# KiCad board Sound_Detection Bullet Shot-v2.kicad_pcb (continued)
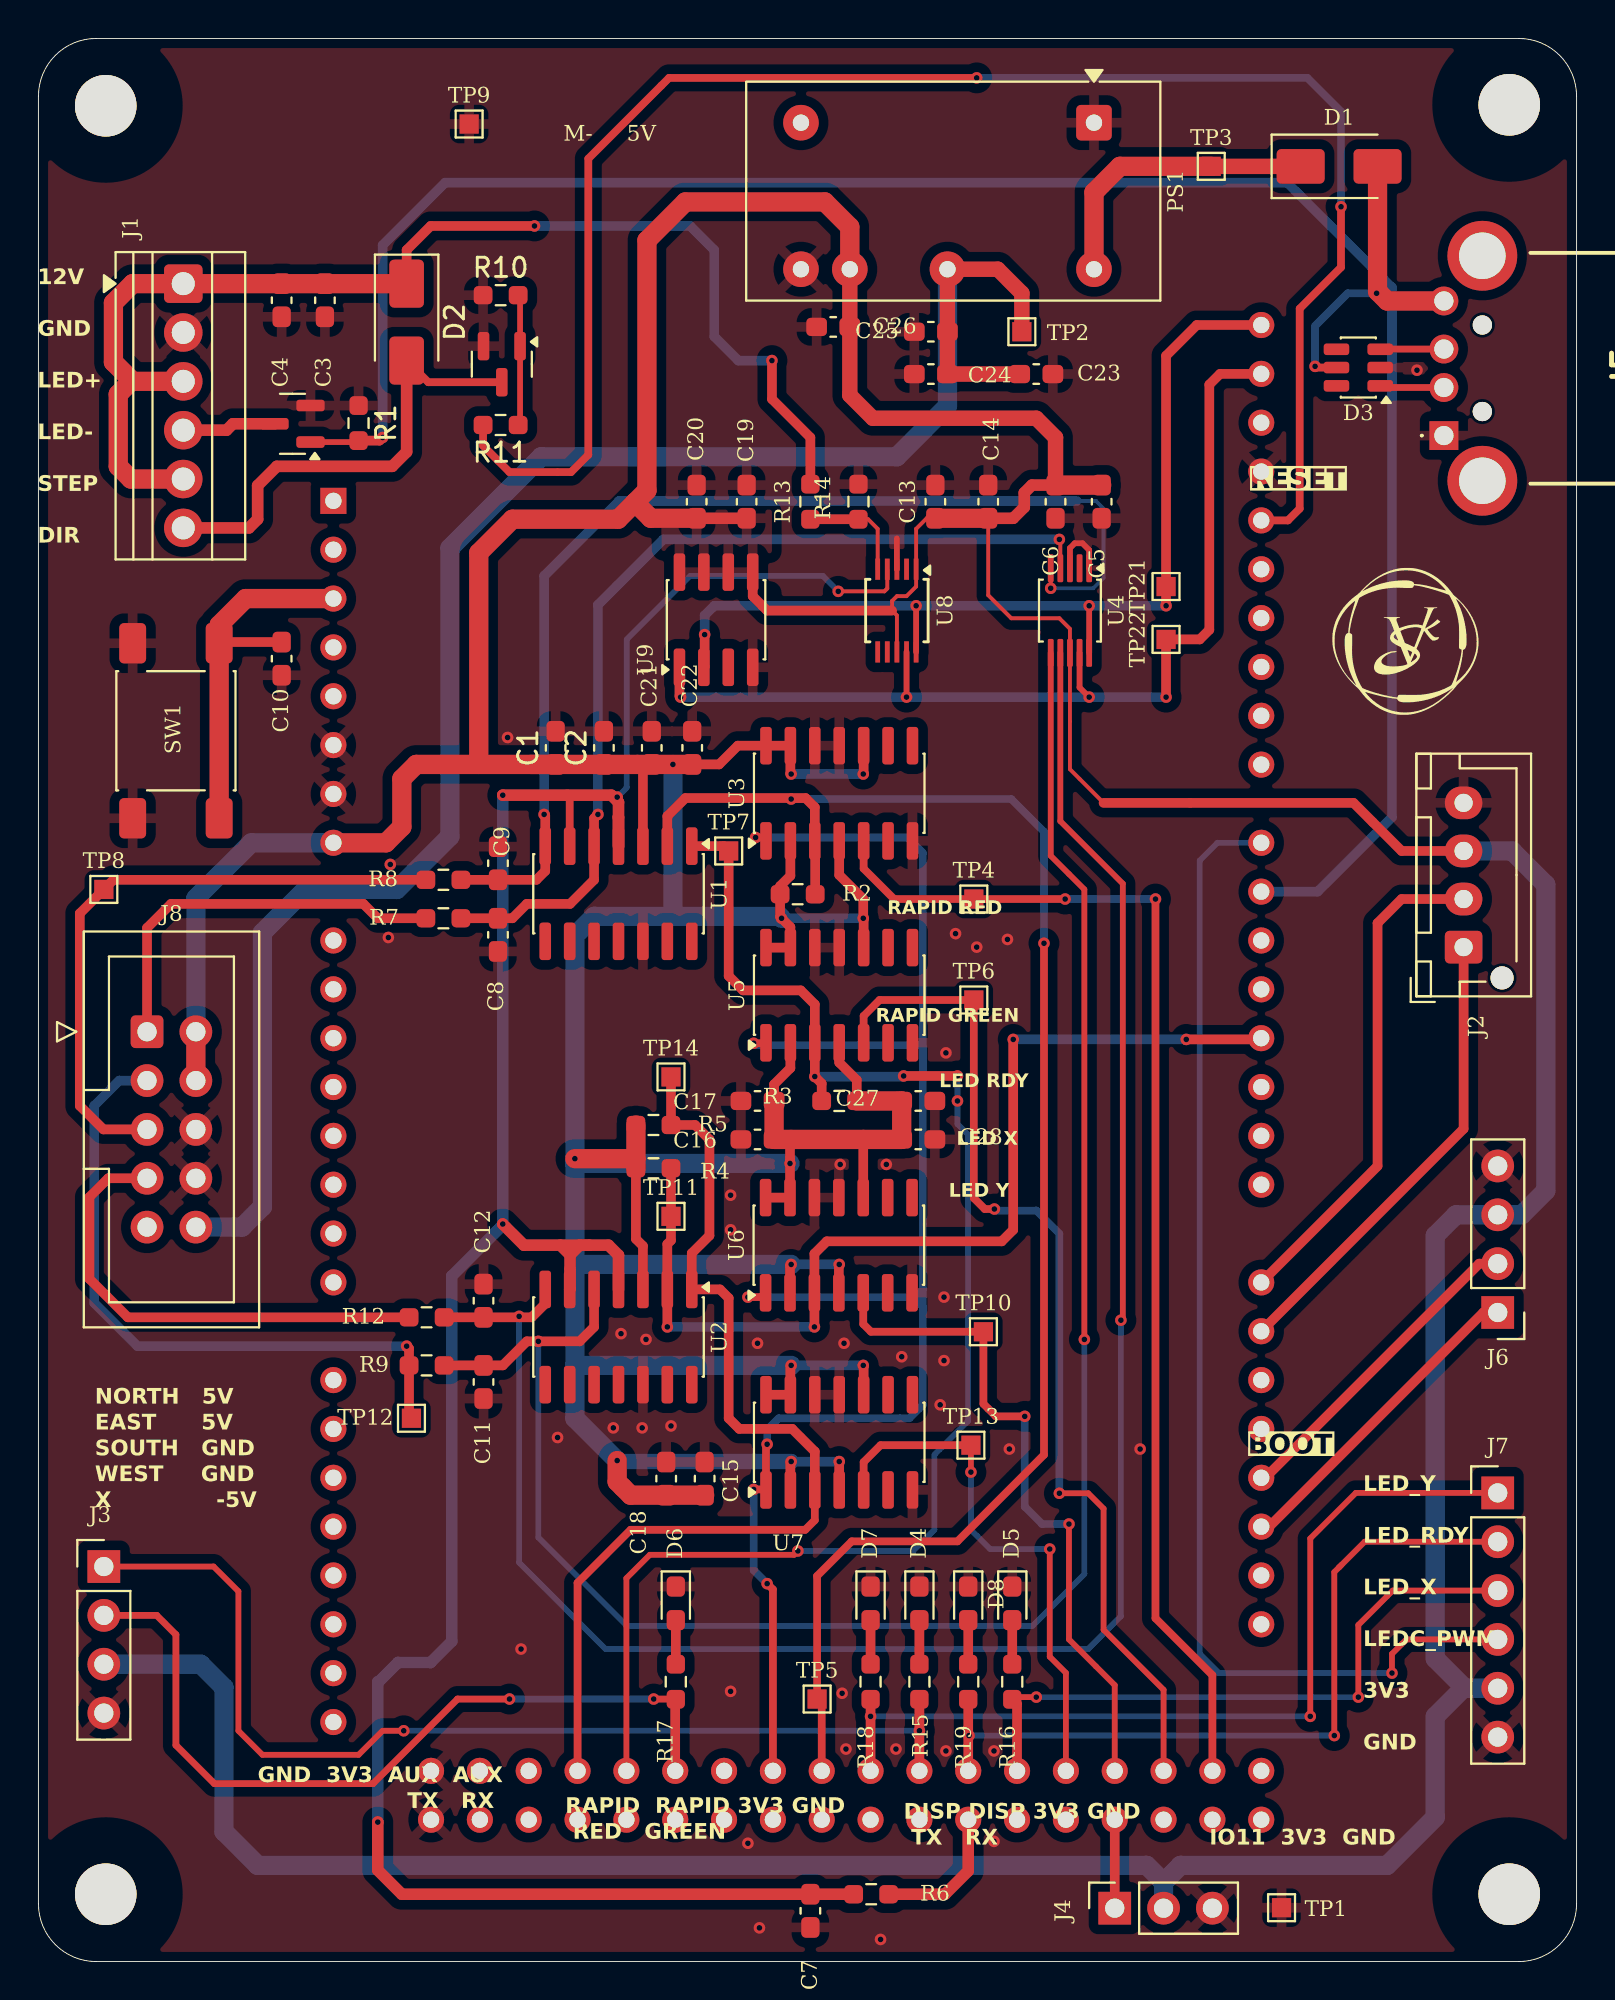
[diagram p0: board, top side]
## Library data of the parts (continued)
J2 = -: Description: Generic connector, single row, 01x04, script generated; Vendors: https://robu.in/product/4-pin-jst-xh-2-54mm-pitch-plug-and-socket-with-cable-5-pcs/; ki_fp_filters: Connector*:*_1x??_*
J3 J6 = -: Description: Generic connector, single row, 01x04, script generated; Vendors: https://robu.in/product/2-54mm-1x40-pin-male-single-row-straight-short-header-strip-pack-of-3/; ki_fp_filters: Connector*:*_1x??_*
J4 = -: Description: Generic connector, single row, 01x03, script generated; Vendors: https://robu.in/product/2-54mm-1x40-pin-male-single-row-straight-short-header-strip-pack-of-3/; ki_fp_filters: Connector*:*_1x??_*
J5 = -: Datasheet: https://www.sameskydevices.com/product/resource/UP2-AH-4-TH.pdf; Description: UP2-AH-4-TH - Type A, USB 2.0, 480 Mbps, 30 Vac, 1 A, Right Angle, Through Hole Mounting Style, Through Hole Contact Pin Type, 30 in Plating Thickness, Black Insulator, USB Plug; Height: 4.55; Manufacturer_Name: Same Sky; Mouser Part Number: 490-UP2-AH-4-TH; Mouser Price/Stock: https://www.mouser.co.uk/ProductDetail/CUI-Devices/UP2-AH-4-TH?qs=5mqXD9RfOg2wG7x6fKnVVw%3D%3D; Arrow Price/Stock: https://www.arrow.com/en/products/up2-ah-4-th/cui-devices?utm_currency=USD&region=nac
J7 = -: Description: Generic connector, single row, 01x06, script generated; Vendors: https://robu.in/product/2-54mm-1x40-pin-male-single-row-straight-short-header-strip-pack-of-3/; ki_fp_filters: Connector*:*_1x??_*
J8 = -: Description: Generic connector, double row, 02x05, top/bottom pin numbering scheme (row 1: 1...pins_per_row, row2: pins_per_row+1 ... num_pins), script generated (kicad-library-utils/schlib/autogen/connector/); Vendors: https://www.ktron.in/product/10-pin-box-header-5x2pin-male-straight/?v=c86ee0d9d7ed; ki_fp_filters: Connector*:*_2x??_*
PS1 = -: Datasheet: https://www.xppower.com/pdfs/SF_IA.pdf; Description: XP Power 1W, 1000 VDC Isolated DC/DC Converter Module, Dual Output Voltage ±5V, ±100mA, 5V Input Voltage, DIP; Vendors: https://in.element14.com/xp-power/ia0505d/converter-dc-dc-1w-5v/dp/8727465; ki_fp_filters: *XP?POWER?IAxxxxD*
Q1 Q2 = -: Datasheet: https://www.tme.eu/Document/7df5cae36abdfcedddb681f5be886f05/2N7000.pdf; Description: SOT-23 N-MOSFET enchancement mode transistor, 60V, 115mA, 200mW, Alternate KiCAD Library; Sim.Device: NPN; Sim.Type: GUMMELPOON; Sim.Pins: 1=C 2=B 3=E; AVAILABILITY: https://robu.in/product/bc847-smd-transistor-pack-of-20/
R1 R10 R11 R15-R19 = -: Description: resistor; Indicator: +; Rating: W; Vendors: https://robu.in/product/330-ohm-1-4w-0603-surface-mount-chip-resistor-pack-of-100/?gad_source=1&gad_campaignid=17427802703&gbraid=0AAAAADvLFWf-PRMRiFDA3RBzSYiPn-luu&gclid=Cj0KCQjws83OBhD4ARIsACblj194YM2_jkWl9kzNsXN7Lf6fJETzhc9HNRRWRG2IRnjdxtkEBVdozhAaAhp_EALw_wcB
R2-R9 R12 R13 = -: Description: resistor; Indicator: +; Rating: W; Vendors: https://evelta.com/10k-1-100mw-0603-chip-resistor/?srsltid=AfmBOorNej3lTQZdXpxtSrrf6owtRoOqLEf4K_jB5WZRBmj2GG6DtAs_
R14 = -: Description: resistor; Indicator: +; Rating: W; Vendors: https://robu.in/product/2-2k-ohm-1-4w-0603-surface-mount-chip-resistor-pack-of-100/?gad_source=1&gad_campaignid=17427802703&gbraid=0AAAAADvLFWf-PRMRiFDA3RBzSYiPn-luu&gclid=Cj0KCQjws83OBhD4ARIsACblj19JhrMjrBon1VXRff-n0-QvLZ1ohm5Pyfe0go6wq98iirsB-DScAicaAq7DEALw_wcB
SW1 = -: Description: Push button switch, generic, two pins; Vendors: https://robu.in/product/tse006a3918a02-bzcn-6-4mm-3-9mm-50ma-round-button-standing-paste-6-55mm-180gf-12v-smd-tactile-switches-rohs/?gad_source=1&gad_campaignid=17427802703&gbraid=0AAAAADvLFWf-PRMRiFDA3RBzSYiPn-luu&gclid=Cj0KCQjws83OBhD4ARIsACblj1_z6nlxUU55QDxR4DWNCay2UByyZGZ5EPg_MtVYCIn2E5TK0cLTReAaAqzeEALw_wcB
TP1-TP14 TP21 TP22 = -: Description: test point; ki_fp_filters: Pin* Test*
U1 U2 = -: Datasheet: https://www.st.com/resource/en/datasheet/lm139.pdf; Description: Quad Differential Comparators, SOIC-14/TSSOP-14; Vendors: https://robu.in/product/lm339d-texas-instruments-ic-comparator-4-diff-14soic/?gad_source=1&gad_campaignid=17427802703&gbraid=0AAAAADvLFWf-PRMRiFDA3RBzSYiPn-luu&gclid=Cj0KCQjws83OBhD4ARIsACblj19HJS2E9tVDTPC8C0nnxfrYx9xA90UCcqmWntQrJgwnTT7YZ9E3pawaAjE5EALw_wcB; ki_fp_filters: SOIC*3.9x8.7mm*P1.27mm* TSSOP*4.4x5mm*P0.65mm*
U3 U5-U7 = -: Datasheet: 74xx/74hc_hct74.pdf; Description: Dual D Flip-flop, Set & Reset; Vendors: https://in.element14.com/on-semiconductor/mc74hc74adg/ic-74hc-cmos-smd-74hc74-soic14/dp/9667016; ki_fp_filters: DIP*W7.62mm*
U4 U8 = -: Datasheet: http://www.ti.com/lit/ds/symlink/ads1113.pdf; Description: Ultra-Small, Low-Power, I2C-Compatible, 860-SPS, 16-Bit ADCs With Internal Reference, Oscillator, and Programmable Comparator, VSSOP-10; Vendors: https://evelta.com/ads1115idgsr-16-bit-adc-2-4-input-1-sigma-delta-ic-vssop-10/?srsltid=AfmBOoqXXIRsstV2qJ4aj6w2U_Oee2BWqNkQ8Lds7tzud7aNYQPa7mLn; ki_fp_filters: TSSOP*3x3mm*P0.5mm*
U9 = -: Datasheet: http://www.ti.com/lit/ds/symlink/lm75b.pdf; Description: Digital Temperature Sensor & Thermal Watchdog with LP on I2C and bus fault timeout, SOIC-8 and VSSOP-8; Vendors: https://in.element14.com/texas-instruments/lm75aimx-nopb/temperature-sensor-3deg-c-soic/dp/3009035; ki_fp_filters: SOIC*3.9x4.9mm*P1.27mm* VSSOP*3x3mm*P0.65mm*

## Footprints (pads in the part's own frame, mm; a bottom-side part is the same pattern mirrored in y, then rotated)
ARDUINO_ARDUINO_MEGA_2560_REV3_A000067
  round 1.358 hole 0.85: 0(24.13,-12.7) 1(24.13,-10.16) 2(24.13,-7.62) 3(24.13,-5.08) 3V3(-24.13,15.24) 4(24.13,-2.54) 5(24.13,0) 5V_1(-24.13,12.7) 5V_2(24.13,-43.18) 5V_3(24.13,-45.72) 6(24.13,2.54) 7(24.13,5.08) 8(24.13,9.144) 9(24.13,11.684) 10(24.13,14.224) 11(24.13,16.764) 12(24.13,19.304) 13(24.13,21.844) 14(24.13,-17.78) 15(24.13,-20.32) 16(24.13,-22.86) 17(24.13,-25.4) 18(24.13,-27.94) 19(24.13,-30.48) 20(24.13,-33.02) 21(24.13,-35.56) 22(21.59,-43.18) 23(21.59,-45.72) 24(19.05,-43.18) 25(19.05,-45.72) 26(16.51,-43.18) 27(16.51,-45.72) 28(13.97,-43.18) 29(13.97,-45.72) 30(11.43,-43.18) 31(11.43,-45.72) 32(8.89,-43.18) 33(8.89,-45.72) 34(6.35,-43.18) 35(6.35,-45.72) 36(3.81,-43.18) 37(3.81,-45.72) 38(1.27,-43.18) 39(1.27,-45.72) 40(-1.27,-43.18) 41(-1.27,-45.72) 42(-3.81,-43.18) 43(-3.81,-45.72) 44(-6.35,-43.18) 45(-6.35,-45.72) 46(-8.89,-43.18) 47(-8.89,-45.72) 48(-11.43,-43.18) 49(-11.43,-45.72) 50(-13.97,-43.18) 51(-13.97,-45.72) 52(-16.51,-43.18) 53(-16.51,-45.72) AD0(-24.13,0) AD1(-24.13,-2.54) AD2(-24.13,-5.08) AD3(-24.13,-7.62) AD4(-24.13,-10.16) AD5(-24.13,-12.7) AD6(-24.13,-15.24) AD7(-24.13,-17.78) AD8(-24.13,-22.86) AD9(-24.13,-25.4) AD10(-24.13,-27.94) AD11(-24.13,-30.48) AD12(-24.13,-33.02) AD13(-24.13,-35.56) AD14(-24.13,-38.1) AD15(-24.13,-40.64) AREF(24.13,26.924) GND1(-24.13,10.16) GND2(-24.13,7.62) GND3(24.13,24.384) GND4(-19.05,-43.18) GND5(-19.05,-45.72) IOREF(-24.13,20.32) RESET(-24.13,17.78) SCL(24.13,32.004) SDA(24.13,29.464) VIN(-24.13,5.08)
  rect 1.358x1.358 hole 0.85: NC(-24.13,22.86)
C_0603_1608Metric_Pad1.08x0.95mm_HandSolder
  rrect 1.075x0.95 smd: 1(-0.863,0) 2(0.863,0)
Converter_DCDC_XP_POWER-IAxxxxD_THT
  rrect 1.85x1.85 hole 0.85: 1(0,0)
  round 1.85 hole 0.85: 2(0,-15.24) 3(7.62,0) 4(7.62,-7.62) 5(7.62,-12.7) 6(7.62,-15.24)
D_SMA
  rrect 2.5x1.8 smd: 1(-2,0) 2(2,0)
IDC-Header_2x05_P2.54mm_Vertical
  rrect 1.7x1.7 hole 1: 1(0,0)
  round 1.7 hole 1: 2(0,-2.54) 3(0,-5.08) 4(0,-7.62) 5(0,-10.16) 6(2.54,0) 7(2.54,-2.54) 8(2.54,-5.08) 9(2.54,-7.62) 10(2.54,-10.16)
JST_XH_B4B-XH-AM_1x04_P2.50mm_Vertical
  round 1.2 hole 1.2 unplated: (-1.6,-2)
  rrect 1.7x1.95 hole 0.95: 1(0,0)
  oval 1.7x1.95 hole 0.95: 2(2.5,0) 3(5,0) 4(7.5,0)
LED_0603_1608Metric_Pad1.05x0.95mm_HandSolder
  rrect 1.05x0.95 smd: 1(-0.875,0) 2(0.875,0)
MountingHole_3.2mm_M3
  round 3.2 hole 3.2 unplated: (0,0)
PinHeader_1x04_P2.54mm_Vertical
  rect 1.7x1.7 hole 1: 1(0,0)
  round 1.7 hole 1: 2(0,-2.54) 3(0,-5.08) 4(0,-7.62)
PinHeader_1x06_P2.54mm_Vertical
  rect 1.7x1.7 hole 1: 1(0,0)
  round 1.7 hole 1: 2(0,-2.54) 3(0,-5.08) 4(0,-7.62) 5(0,-10.16) 6(0,-12.7)
PinSocket_1x03_P2.54mm_Vertical
  rect 1.7x1.7 hole 1: 1(0,0)
  round 1.7 hole 1: 2(0,-2.54) 3(0,-5.08)
R_0603_1608Metric_Pad0.98x0.95mm_HandSolder
  rrect 0.975x0.95 smd: 1(-0.912,0) 2(0.912,0)
SOIC-8_3.9x4.9mm_P1.27mm
  rrect 1.95x0.6 smd: 1(-2.475,1.905) 2(-2.475,0.635) 3(-2.475,-0.635) 4(-2.475,-1.905) 5(2.475,-1.905) 6(2.475,-0.635) 7(2.475,0.635) 8(2.475,1.905)
SOIC-14_3.9x8.7mm_P1.27mm
  rrect 1.95x0.6 smd: 1(-2.475,3.81) 2(-2.475,2.54) 3(-2.475,1.27) 4(-2.475,0) 5(-2.475,-1.27) 6(-2.475,-2.54) 7(-2.475,-3.81) 8(2.475,-3.81) 9(2.475,-2.54) 10(2.475,-1.27) 11(2.475,0) 12(2.475,1.27) 13(2.475,2.54) 14(2.475,3.81)
SOT-23
  rrect 1.475x0.6 smd: 1(-0.938,0.95) 2(-0.938,-0.95) 3(0.938,0)
SW_Push_1P1T_NO_E-Switch_TL3301NxxxxxG
  rrect 2.1x1.4 smd: 1(-4.55,2.25) 1(4.55,2.25) 2(-4.55,-2.25) 2(4.55,-2.25)
TerminalBlock_Xinya_XY308-2.54-6P_1x06_P2.54mm_Horizontal
  rrect 2x2 hole 1.2: 1(0,0)
  round 2 hole 1.2: 2(2.54,0) 3(5.08,0) 4(7.62,0) 5(10.16,0) 6(12.7,0)
TestPoint_Pad_1.0x1.0mm
  rect 1x1 smd: 1(0,0)
TSOT-23-6
  rrect 1.325x0.6 smd: 1(-1.137,0.95) 2(-1.137,0) 3(-1.137,-0.95) 4(1.137,-0.95) 5(1.137,0) 6(1.137,0.95)
TSSOP-10_3x3mm_P0.5mm
  rect 1.1x0.25 smd: 1(-2.15,1) 2(-2.15,0.5) 3(-2.15,0) 4(-2.15,-0.5) 5(-2.15,-1) 6(2.15,-1) 7(2.15,-0.5) 8(2.15,0) 9(2.15,0.5) 10(2.15,1)
UP2AH4TH
  round 1 hole 1 unplated: (1.25,-2) (5.75,-2)
  rect 1.5x1.5 hole 1: 1(0,0)
  round 1.5 hole 1: 2(2.5,0) 3(4.5,0) 4(7,0)
  round 3.63 hole 2.42: MH1(-2.35,-2) MH2(9.35,-2)
VSSOP-10_3x3mm_P0.5mm
  rrect 1.45x0.3 smd: 1(-2.2,1) 2(-2.2,0.5) 3(-2.2,0) 4(-2.2,-0.5) 5(-2.2,-1) 6(2.2,-1) 7(2.2,-0.5) 8(2.2,0) 9(2.2,0.5) 10(2.2,1)

## Nets
12V: C3.1 C4.1 D2.1 J1.1 J1.3 J1.5 R13.2
+5V: A1.VIN C1.1 C2.1 C5.1 C6.1 C13.1 C14.1 C15.1 C16.1 C17.1 C18.1 C19.1 C20.1 C21.1 C22.1 C26.2 C27.1 C28.1 J2.3 J3.3 J4.2 J6.3 J7.5 J8.6 J8.7 PS1.5 R2.2 R3.2 R4.2 R5.2 U1.3 U2.3 U3.2 U3.4 U3.10 U3.13 U3.14 U4.8 U5.2 U5.4 U5.10 U5.13 U5.14 U6.2 U6.4 U6.10 U6.13 U6.14 U7.2 U7.4 U7.10 U7.13 U7.14 U8.1 U8.8 U9.5 U9.6 U9.7 U9.8
-5V: C23.1 C24.1 C25.2 J8.10 PS1.4 TP2.1
/12V_VD: R13.1 R14.2 U8.5
/VBUS: D1.2 D3.5 J5.4
GND: A1.GND1 A1.GND2 A1.GND3 A1.GND4 A1.GND5 C1.2 C2.2 C3.2 C4.2 C5.2 C6.2 C7.1 C8.1 C9.1 C10.2 C11.1 C12.1 C13.2 C14.2 C15.2 C16.2 C17.2 C18.2 C19.2 C20.2 C21.2 C22.2 C23.2 C24.2 C25.1 C26.1 C27.2 C28.2 D3.2 D4.1 D5.1 D6.1 D7.1 D8.1 J1.2 J2.4 J3.4 J4.3 J5.1 J6.4 J7.6 J8.8 J8.9 PS1.1 PS1.6 Q1.2 Q2.2 R1.1 R10.1 R14.1 SW1.1 TP1.1 TP9.1 U1.12 U2.12 U3.7 U3.11 U3.12 U4.1 U4.3 U5.7 U5.11 U5.12 U6.7 U6.11 U6.12 U7.7 U7.11 U7.12 U8.3 U9.4
/COMP_E: C11.2 R9.2 U2.5 U4.6
/COMP_N: C8.2 R7.2 U1.5 U4.4
/COMP_S: C9.2 R8.2 U1.7 U4.5
/COMP_W: C12.2 R12.2 U2.7 U4.7
/RESET: A1.RESET C10.1 SW1.2
AUX_RX: A1.15 J2.1
AUX_TX: A1.14 J2.2
COMP_EAST: A1.3 R4.1 TP11.1 U2.2 U6.3
COMP_NORTH: A1.38 R2.1 TP5.1 U1.2 U3.3
COMP_SOUTH: A1.46 R3.1 TP7.1 U1.1 U5.3
COMP_WEST: A1.48 R5.1 TP14.1 U2.1 U7.3
D+: D3.1 J5.2
D-: D3.3 J5.3
DISP_RX: A1.19 J6.1
DISP_TX: A1.18 J6.2
FACE_SENS: A1.27 J4.1
LATCH_CLR: A1.40 U3.1 U5.1 U6.1 U7.1
LED-: J1.4 Q1.3
LED_PWM: A1.6 Q1.1 R1.2
LED_RDY: A1.32 J7.2 R19.2
LED_X: A1.36 J7.1 R18.2
LED_Y: A1.30 J7.3 R16.2
LEDC_PWM: A1.7 J7.4
M-: D2.2 J1.6 Q2.3
PAPER: A1.13 R11.2
RAPID_GREEN: A1.44 J3.2 R17.2
RAPID_RED: A1.34 J3.1 R15.2
RUN_EAST: A1.26 TP10.1 U6.5
RUN_NORTH : A1.22 TP4.1 U3.5
RUN_SOUTH: A1.24 TP6.1 U5.5
RUN_WEST: A1.28 TP13.1 U7.5
SCL: A1.SCL TP21.1 U4.10 U8.10 U9.2
SDA: A1.SDA TP22.1 U4.9 U8.9 U9.1
SIG_1: J8.1 R7.1
SIG_2: J8.2 R9.1 TP12.1
SIG_3: J8.3 R8.1 TP8.1
SIG_4: J8.4 R12.1
USB_5V: D1.1 PS1.3 TP3.1
VREF: A1.33 R6.1
VREF_PWM: C7.2 R6.2 U1.4 U1.6 U2.4 U2.6 U8.4
Net-(D4-A): D4.2 R15.1
Net-(D5-A): D5.2 R16.1
Net-(D6-A): D6.2 R17.1
Net-(D7-A): D7.2 R18.1
Net-(D8-A): D8.2 R19.1
Net-(Q2-G): Q2.1 R10.2 R11.1

Pads without a net: A1 0 1 2 3V3 4 5 5V_1 5V_2 5V_3 8 9 10 11 12 16 17 20 21 23 25 29 31 35 37 39 41 42 43 45 47 49 50 51 52 53 AD0 AD1 AD2 AD3 AD4 AD5 AD6 AD7 AD8 AD9 AD10 AD11 AD12 AD13 AD14 AD15 AREF IOREF NC; D3 4 6; J5 MH1 MH2; J8 5; PS1 2; U1 8 9 10 11 13 14; U2 8 9 10 11 13 14; U3 6 8 9; U4 2; U5 6 8 9; U6 6 8 9; U7 6 8 9; U8 2 6 7; U9 3

## Via types
v1: diameter 0.6, hole 0.3, Top to Bottom, 116 vias

## Routing (per net, layer and track width the routed paths; a pad name or vN(x,y) marks a point on that pad's centre or on a via; arc(x,y) is an arc through that point)
12V: length 65.3
  Top w0.5: D2.1 19.15,89 20.4,90.25 v1(25.8,90.25) ; v1(38.15,83.25) 38.15,81.25 40.15,79.25 R13.2
  Top w1: 4.9,82.17 3.9,83.17 3.9,86.25 4.9,87.25 J1.1 D2.1 ; 4.9,82.17 J1.3 ; 4.9,82.17 4.82,82.17 4.15,81.5 4.15,77.75 4.81,77.09 J1.5
  Bottom w0.5: v1(38.15,83.25) 36.4,83.25 35.15,84.5 35.15,89 33.9,90.25 v1(25.8,90.25)
+5V: length 513.8
  Top w0.2: 55.4,60.25 53.65,62 U4.8 53.65,69.3 53.1,69.85 50.6,69.85 49.4,71.05 C14.1 ; C13.1 46.2,75.05 45.65,74.5 U8.1 45.65,71.5 45.15,71 44.65,71 44.4,70.75 44.4,70.25 44.65,70 U8.8
  Top w0.5: U5.14 U5.13 39.11,53.79 38.57,54.33 R2.2 38.57,55.92 39.11,56.46 U3.2 ; C22.1 35.4,62.25 36.38,63.23 U3.14 U3.13 39.11,61.79 v1(39.15,61.75) ; U2.3 31.44,37.21 31.07,37.58 R4.2 ; J2.3 70.9,57.75 68.4,60.25 55.4,60.25 ; U5.4 41.65,46.75 42.56,45.84 R3.2 ; U6.10 42.9,42.75 ; U5.10 42.92,54.23 v1(42.9,54.25) 42.9,55.25 41.65,56.5 U3.4 ; U7.2 39.11,25.96 v1(39.15,26) ; U1.3 31.44,61.96 31.15,62.25 ; 39.15,42.75 39.09,42.69 v1(39.09,41.5) ; U7.14 U7.13 39.11,30.96 v1(39.15,31) ; 44.4,70.25 37.9,70.25 37.15,71 U9.5 ; U6.4 41.63,36.23 v1(41.65,36.25) ; U5.2 39.11,46.46 38.26,45.61 C17.1 ; U7.4 v1(41.65,26) ; v1(39.09,41.5) 39.09,41.75 ; v1(39.09,41.5) U6.13 U6.14 ; U7.10 42.92,30.98 v1(42.9,31) ; v1(39.15,36.25) 39.09,36.19 U6.2 39.11,34.75 ; U3.10 42.92,61.77 v1(42.9,61.75)
  Top w0.6: C6.1 51.68,76.78 51.27,76.38 51.27,75.62 50.7,75.05 C14.1 ; C19.1 C20.1
  Top w0.8: PS1.5 C26.2 42.2,81.45 43.4,80.25 51.9,80.25 52.9,79.25 C6.1
  Top w1: C1.1 C22.1 ; C1.1 25.6,62.25 ; C1.1 22.9,62.25 ; 31.02,75.88 31.85,75.05 C20.1 ; 31.02,75.88 30.15,75 24.65,75 22.9,73.25 22.9,62.25 ; 31.02,75.88 31.65,76.5 31.65,89.5 33.65,91.5 40.9,91.5 42.2,90.2 PS1.5 ; R3.2 C27.1 C28.1 C16.1 C17.1 ; 22.9,62.25 19.65,62.25 18.9,61.5 18.9,59 18.07,58.17 A1.VIN ; v1(30.1,26.05) 30.1,24.95 30.8,24.25 C18.1 C15.1 ; 31.07,41.75 R4.2 ; 31.07,41.75 R5.2 ; 31.07,41.75 v1(27.9,41.75) ; C13.1 C14.1 ; J8.7 J8.6 ; C6.1 C5.1
  Bottom w0.5: v1(41.65,36.25) v1(39.15,36.25) ; v1(42.9,31) v1(39.15,31) ; v1(41.65,26) v1(39.15,26) ; v1(42.9,61.75) v1(39.15,61.75) ; v1(42.9,54.25) v1(38.65,54.25)
  Bottom w0.8: 30.15,26 v1(39.15,26)
  Bottom w1: v1(38.65,54.25) 38.55,54.35 33,54.35 ; 27.9,36.25 27.9,31 ; 27.9,36.25 v1(39.15,36.25) ; 27.9,36.25 27.9,41.5 ; 27.9,31 v1(39.15,31) ; 27.9,31 27.9,28.25 30.15,26 ; 58.52,4.12 J4.2 ; 58.52,4.12 57.64,5 11.4,5 9.65,6.75 9.65,14.25 8.44,15.46 J3.3 ; 58.52,4.12 59.4,5 70.15,5 72.65,7.5 72.65,12.75 74.11,14.21 J7.5 74.19,14.21 72.65,15.75 72.65,37.75 73.73,38.83 J6.3 77.15,38.83 78.4,40.08 78.4,56 76.65,57.75 J2.3 ; A1.VIN 11.08,58.17 8.19,55.29 J8.6 ; 27.9,41.5 v1(39.09,41.5) ; 27.9,41.5 27.9,53.35 28.9,54.35 33,54.35 ; 33,54.35 v1(33,62.25)
-5V: length 96.6
  Top w0.8: C23.1 C24.1 PS1.4 49.9,88 51.15,86.75 TP2.1
  Bottom w1: J8.10 10.59,38.19 11.65,39.25 11.65,53.5 13.9,55.75 18.65,55.75 21.4,58.5 21.4,73.5 26.15,78.25 44.65,78.25 47.28,80.88 PS1.4
/12V_VD: length 5.8
  Top w0.2: R14.2 43.15,75 43.65,74.5 U8.5
  Top w0.5: R13.1 R14.2
/VBUS: length 17.3
  Top w0.4: D3.5 66.46,82.89 v1(66.4,82.95)
  Top w1: J5.4 70.15,86.35 69.65,86.85 D1.2
  Bottom w0.4: v1(66.4,82.95) 66.4,85.05 68.1,86.75 v1(69.6,86.75)
GND: length 4.8
  Top w0.3: U4.1 54.65,73.4 54.3,73.75 53.9,73.75 53.65,73.5 U4.3 ; U8.3 44.65,74
  vias: v1(18.2,53.25) v1(18.3,57.05) v1(24.4,63.65) v1(25.1,16.25) v1(27,27.25) v1(29.9,27.75) v1(30.3,32.65) v1(31.4,27.75) v1(31.6,32.35) v1(32.9,27.85) v1(36,39.85) v1(36,38.05) v1(36,14.05) v1(36.9,6.15) v1(37.4,32.15) v1(37.5,1.75) v1(41.7,41.45) v1(41.8,13.95) v1(41.9,32.15) v1(42,11.05) v1(43.8,1.15) v1(44.1,41.45) v1(44.6,11.05) v1(44.9,31.45) v1(46.9,28.95) v1(47.1,34.55) v1(47.1,31.25) v1(47.2,47.25) v1(47.2,10.95) v1(47.7,53.45) v1(48.8,52.75) v1(49.7,10.95) v1(49.7,6.25) v1(50.4,53.15) v1(50.5,26.65) v1(57.3,26.65) v1(71.7,82.75)
/COMP_E: length 100.8
  Top w0.3: v1(54.4,32.35) 54.4,55.75 52.65,57.5 U4.6
  Top w0.5: R9.2 C11.2 24.15,31 25.4,32.25 28.15,32.25 28.9,33 U2.5
  Bottom w0.3: v1(54.4,32.35) 54.4,20.15 51.7,17.45 30.6,17.45 26,22.05 v1(26,32.25)
/COMP_N: length 49.1
  Top w0.2: U4.4 53.15,73.9 v1(53.1,73.95)
  Top w0.5: v1(29.1,59.65) 28.9,59.45 U1.5 28.9,56.25 27.65,55 25.4,55 24.65,54.25 C8.2 R7.2
  Bottom w0.5: v1(53.1,73.95) 32.5,73.95 29.1,70.55 v1(29.1,59.65)
/COMP_S: length 58.4
  Top w0.2: v1(52.65,71.41) U4.5
  Top w0.5: R8.2 C9.2 25.9,56.25 26.36,56.71 U1.7 26.36,59.59 v1(26.3,59.65)
  Bottom w0.2: 54,75.95 55,75.95 55.4,75.55 55.4,71.95 54.86,71.41 v1(52.65,71.41)
  Bottom w0.5: 54,75.95 30.2,75.95 26.3,72.05 v1(26.3,59.65)
/COMP_W: length 104.4
  Top w0.3: U4.7 53.15,59.3 56.4,56.05 56.4,33.45 v1(56.3,33.35)
  Top w0.5: U2.7 26.36,34.21 25.65,33.5 C12.2 R12.2
  Bottom w0.3: v1(56.3,33.35) 56.3,17.95 54.6,16.25 29.5,16.25 25,20.75 v1(25,33.55)
/RESET: length 19.8
  Top w0.5: SW1.2 9.46,68.61 C10.1
  Top w1: SW1.2 SW1.2 9.4,69.5 10.78,70.88 A1.RESET
AUX_RX: length 24.3
  Top w0.5: A1.15 74.12,43.3 J2.1
AUX_TX: length 26.2
  Top w0.5: A1.14 69.65,41.36 69.65,54 70.9,55.25 J2.2
COMP_EAST: length 53.5
  Top w0.5: v1(40.36,33) U6.3 40.36,36.81 41,37.45 50.1,37.45 50.7,38.05 v1(50.7,47.95) ; A1.3 63.54,47.95 v1(59.7,47.95) ; R4.1 TP11.1 32.9,37.5 32.71,37.31 U2.2 v1(32.71,33)
  Bottom w0.5: v1(50.7,47.95) v1(59.7,47.95) ; v1(32.71,33) v1(40.36,33)
COMP_NORTH: length 85.2
  Top w0.4: v1(52.3,52.95) 52.3,26.35 47.8,21.85 42.3,21.85 40.5,20.05 TP5.1 40.74,13.41 A1.38
  Top w0.5: U1.2 32.71,59.56 33.65,60.5 39.9,60.5 40.38,60.02 U3.3 40.4,58.26 R2.1
  Bottom w0.4: v1(52.3,52.95) 52.3,58.75 50.6,60.45 v1(39.15,60.45)
COMP_SOUTH: length 77.8
  Top w0.3: v1(39.5,21.35) 39.3,21.15 31.8,21.15 30.58,19.93 A1.46
  Top w0.5: R3.1 40.74,45.66 v1(40.38,46.02) U5.3 40.38,49.77 39.65,50.5 36.65,50.5 35.9,51.25 TP7.1 35.65,58 U1.1 ; v1(45,46.05) v1(47.8,46.05)
  Bottom w0.3: v1(39.5,21.35) 45.5,21.35 46.6,22.45 46.6,26.35 48.35,28.1 48.35,43 47.8,43.55 v1(47.8,44.75) v1(47.8,46.05)
  Bottom w0.5: v1(45,46.05) 44.97,46.02 v1(40.38,46.02)
COMP_WEST: length 53.6
  Top w0.4: A1.48 28.04,19.69 30.8,22.45 39.88,22.45 40.38,22.95 U7.3
  Top w0.5: U7.3 40.38,26.52 39.2,27.7 36.45,27.7 35.9,28.25 35.9,34.5 35.45,34.95 U2.1 33.98,36.83 34.9,37.75 34.9,42.75 34.15,43.5 R5.1 TP14.1
D+: length 3.3
  Top w0.35: J5.2 69.88,81.85 D3.1
D-: length 3.3
  Top w0.35: D3.3 69.8,83.85 J5.3
DISP_RX: length 16.9
  Top w0.5: J6.1 75.15,33.75 64.02,22.61 A1.19
DISP_TX: length 16.9
  Top w0.5: J6.2 74.94,36.29 63.8,25.16 A1.18
FACE_SENS: length 4.6
  Top w0.5: J4.1 A1.27
LATCH_CLR: length 88
  Top w0.4: v1(37.9,26.9) 37.84,26.84 U7.1 37.81,24.55 v1(37.2,24.55) ; U6.1 37.59,34.55 v1(36.9,34.55) ; U5.1 37.81,47.75 v1(37.2,47.75) ; v1(37.9,19.65) 38.2,19.35 A1.40 ; v1(37.3,58.45) 37.66,58.45 U3.1
  Bottom w0.4: 46,33.75 46,28.95 45.3,28.25 38.5,28.25 37.9,27.65 v1(37.9,26.9) ; 46,33.75 46,34.95 ; 46,33.75 46,34.05 45.5,34.55 ; 46,34.95 45.6,34.55 45.5,34.55 ; 46,34.95 46,46.25 ; v1(37.2,24.55) 37.2,20.35 v1(37.9,19.65) ; 45.5,34.55 v1(36.9,34.55) ; 46,46.25 46,47.55 45.9,47.65 37.3,47.65 v1(37.2,47.75) ; 46,46.25 46,57.65 45.2,58.45 v1(37.3,58.45)
LED-: length 4.9
  Top w0.6: Q1.3 10.11,79.96 9.78,79.63 J1.4
LED_PWM: length 105.9
  Top w0.3: R1.2 16.58,79.01 Q1.1
  Top w0.5: v1(17.9,79.25) 17.74,79.09 R1.2
  Bottom w0.5: v1(17.9,79.25) 17.9,89.25 21.15,92.5 64.95,92.5 70.4,87.05 70.4,59.5 66.54,55.63 A1.6
LED_RDY: length 40.6
  Top w0.3: 67.65,20.5 67.78,20.62 ; 67.65,20.5 67.4,20.25 v1(67.4,11.75) ; 67.65,20.5 68.98,21.83 J7.2
  Top w0.5: A1.32 R19.2
  Bottom w0.3: v1(67.4,11.75) v1(48.4,11.75)
LED_X: length 46.6
  Top w0.3: v1(66.15,12.75) 66.15,22 68.52,24.37 J7.1
  Top w0.5: A1.36 R18.2
  Bottom w0.3: v1(66.15,12.75) v1(43.28,12.75)
LED_Y: length 33.6
  Top w0.3: v1(68.65,13.75) 68.65,17.5 70.44,19.29 J7.3 ; v1(51.9,13.75) 50.76,13.75 R16.2
  Top w0.5: A1.30 50.9,13.39 R16.2
  Bottom w0.3: v1(68.65,13.75) v1(51.9,13.75)
LEDC_PWM: length 62.1
  Top w0.3: J7.4 71.15,16.75 70.4,16 v1(70.4,15)
  Bottom w0.3: v1(70.4,15) 61.4,15 60.4,16 60.4,57.25 61.32,58.17 A1.7
M-: length 24.4
  Top w0.4: Q2.3 20.27,82.12 D2.2
  Top w0.6: D2.2 19.15,78.5 18.4,77.75 12.4,77.75 11.4,76.75 11.4,75 10.95,74.55 J1.6
PAPER: length 88.3
  Top w0.4: v1(67.75,91.25) 67.75,88.1 65.6,85.95 65.6,75.55 64.99,74.94 A1.13 ; R11.2 23.12,78.83 24.5,77.45 27.7,77.45 28.6,78.35 28.6,93.75 32.8,97.95 v1(48.8,97.95)
  Bottom w0.4: v1(48.8,97.95) 66,97.95 67.75,96.2 v1(67.75,91.25)
RAPID_GREEN: length 42.3
  Top w0.35: v1(32,13.65) 33.14,13.65 R17.2 ; v1(24.5,13.65) 21.8,13.65 17.4,9.25 9.15,9.25 7.15,11.25 7.15,17 6.15,18 J3.2
  Top w0.5: R17.2 33.12,13.61 A1.44
  Bottom w0.35: v1(24.5,13.65) v1(32,13.65)
RAPID_RED: length 55
  Top w0.3: J3.1 9.11,20.54 10.4,19.25 10.4,12 11.65,10.75 16.65,10.75 17.9,12 v1(19,12)
  Top w0.5: A1.34 R15.2
  Bottom w0.3: v1(19,12) 45.9,12
  vias: v1(45.82,12)
RUN_EAST: length 35.4
  Top w0.3: A1.26 55.98,14.37 53.6,16.75 v1(53.6,22.75)
  Top w0.4: U6.5 42.9,33.15 43.3,32.75 TP10.1 49.15,29 49.8,28.35 v1(51.3,28.35)
  Bottom w0.4: v1(53.6,22.75) 52.2,22.75 51.3,23.65 v1(51.3,28.35)
RUN_NORTH : length 63.8
  Top w0.4: U3.5 42.92,56.83 44.5,55.25 TP4.1 v1(53.4,55.25) ; v1(58.1,55.25) 58.1,17.85 61.06,14.89 A1.22
  Bottom w0.4: v1(58.1,55.25) v1(53.4,55.25)
RUN_SOUTH: length 54
  Top w0.3: A1.24 58.52,14.13 55.4,17.25 55.4,23.55 54.6,24.35 v1(53.1,24.35)
  Top w0.4: v1(49.72,39.13) 49.22,39.13 48.65,39.7 TP6.1 43.75,50 42.92,49.17 U5.5
  Bottom w0.4: v1(53.1,24.35) 53.1,37.85 51.9,39.05 49.8,39.05 v1(49.72,39.13)
RUN_WEST: length 28.2
  Top w0.3: v1(52.6,21.45) 52.6,15.85 53.44,15.01 A1.28 ; v1(48.5,25.45) TP13.1
  Top w0.4: TP13.1 43.8,26.85 42.92,25.97 U7.5
  Bottom w0.3: v1(52.6,21.45) 49.5,21.45 48.5,22.45 v1(48.5,25.45)
SCL: length 50.4
  Top w0.3: U8.10 v1(45.65,70.5) ; U4.10 v1(54.65,70.5)
  Top w0.5: U9.2 34.65,67.34 v1(34.65,69) ; v1(58.65,70.5) TP21.1 58.65,83.5 60.25,85.1 A1.SCL
  Bottom w0.5: v1(34.65,69) 34.65,70 35.15,70.5 v1(58.65,70.5)
SDA: length 52.8
  Top w0.3: U8.9 v1(45.15,65.75) ; U4.9 54.15,66.25 v1(54.65,65.75)
  Top w0.5: U9.1 33.34,65.81 v1(33.4,65.75) ; v1(58.65,65.75) TP22.1 60.4,68.75 60.9,69.25 60.9,82 61.46,82.56 A1.SDA
  Bottom w0.5: v1(58.65,65.75) v1(33.4,65.75)
SIG_1: length 20.7
  Top w0.5: J8.1 5.65,53.75 6.9,55 16.9,55 17.65,54.25 R7.1
SIG_2: length 34.6
  Top w0.5: TP12.1 19.27,28.38 R9.1 19.27,31.88 v1(19.15,32)
  Bottom w0.5: v1(19.15,32) 5.15,32 2.9,34.25 2.9,44.5 4.21,45.81 J8.2
SIG_3: length 32.7
  Top w0.5: R8.1 3.9,56.25 2.15,54.5 2.15,44.5 3.38,43.27 J8.3
SIG_4: length 25.1
  Top w0.5: J8.4 3.63,40.73 2.65,39.75 2.65,35.5 4.65,33.5 R12.1
USB_5V: length 15.3
  Top w0.8: D1.1 TP3.1
  Top w1: TP3.1 56.25,93.35 54.9,92 PS1.3
VREF: length 7.3
  Top w0.6: A1.33 48.36,4.71 47.15,3.5 R6.1
VREF_PWM: length 134.5
  Top w0.2: v1(41.6,71.25) 44,71.25 44.15,71.4 U8.4
  Top w0.4: 27.5,60.65 27.63,60.52 U1.6
  Top w0.6: 27.65,36.75 28.15,37.25 28.65,37.25 ; 27.65,36.75 27.65,34.97 U2.6 ; 27.65,36.75 27.15,37.25 ; v1(24.15,38.35) 25.25,37.25 27.15,37.25 ; v1(24.15,60.65) 29.8,60.65 30.17,60.28 U1.4 30.17,59.5 30.15,59.5 ; 27.15,37.25 28.65,37.25 ; 28.65,37.25 29.65,37.25 30.17,36.73 U2.4 ; R6.2 C7.2 18.9,3.5 17.65,4.75 v1(17.65,7.25)
  Bottom w0.3: v1(30.1,60.55) 30.6,61.05 30.6,68.75 33.9,72.05 40.8,72.05 v1(41.6,71.25)
  Bottom w0.6: v1(17.65,7.25) 17.65,14.55 17.7,14.55 18.7,15.55 20.4,15.55 21.5,16.65 21.5,35.65 24.15,38.3 v1(24.15,38.35) v1(24.15,60.65)
Net-(D4-A): length 2.3
  Top w0.5: R15.1 D4.2
Net-(D5-A): length 2.3
  Top w0.5: R16.1 D5.2
Net-(D6-A): length 2.3
  Top w0.5: R17.1 D6.2
Net-(D7-A): length 2.3
  Top w0.5: R18.1 D7.2
Net-(D8-A): length 2.3
  Top w0.5: R19.1 D8.2
Net-(Q2-G): length 6.8
  Top w0.3: R10.2 25.05,86.55 Q2.1 25.05,80 R11.1

## Copper pours and planes (outline as drawn; the poured copper is in the pictures)
+5V on Top: 32.4,75.5 38.15,75.5 38.15,70.75 32.4,70.75
GND on Top, Bottom: -9.5,104.75 -8.7,-5.45 87.7,-5.45 87.1,104.35 -9.5,104.95

## Text on the board
F.Silkscreen: 12V / GND / LED+ / LED- / STEP / DIR | RAPID GREEN | RAPID RED | LED RDY | LED Y | LED X | M-     5V | NORTH   5V / EAST      5V / SOUTH   GND / WEST     GND / X              -5V | GND  3V3  AUX  AUX / TX   RX | RAPID  RAPID 3V3 GND / RED   GREEN | DISP DISP 3V3 GND / TX   RX | IO11  3V3  GND | LED_Y / LED_RDY / LED_X / LEDC_PWM / 3V3 / GND | BOOT | RESET
